# KiCad board sample013-sdi-mipi-video-converter.kicad_pcb (continued)
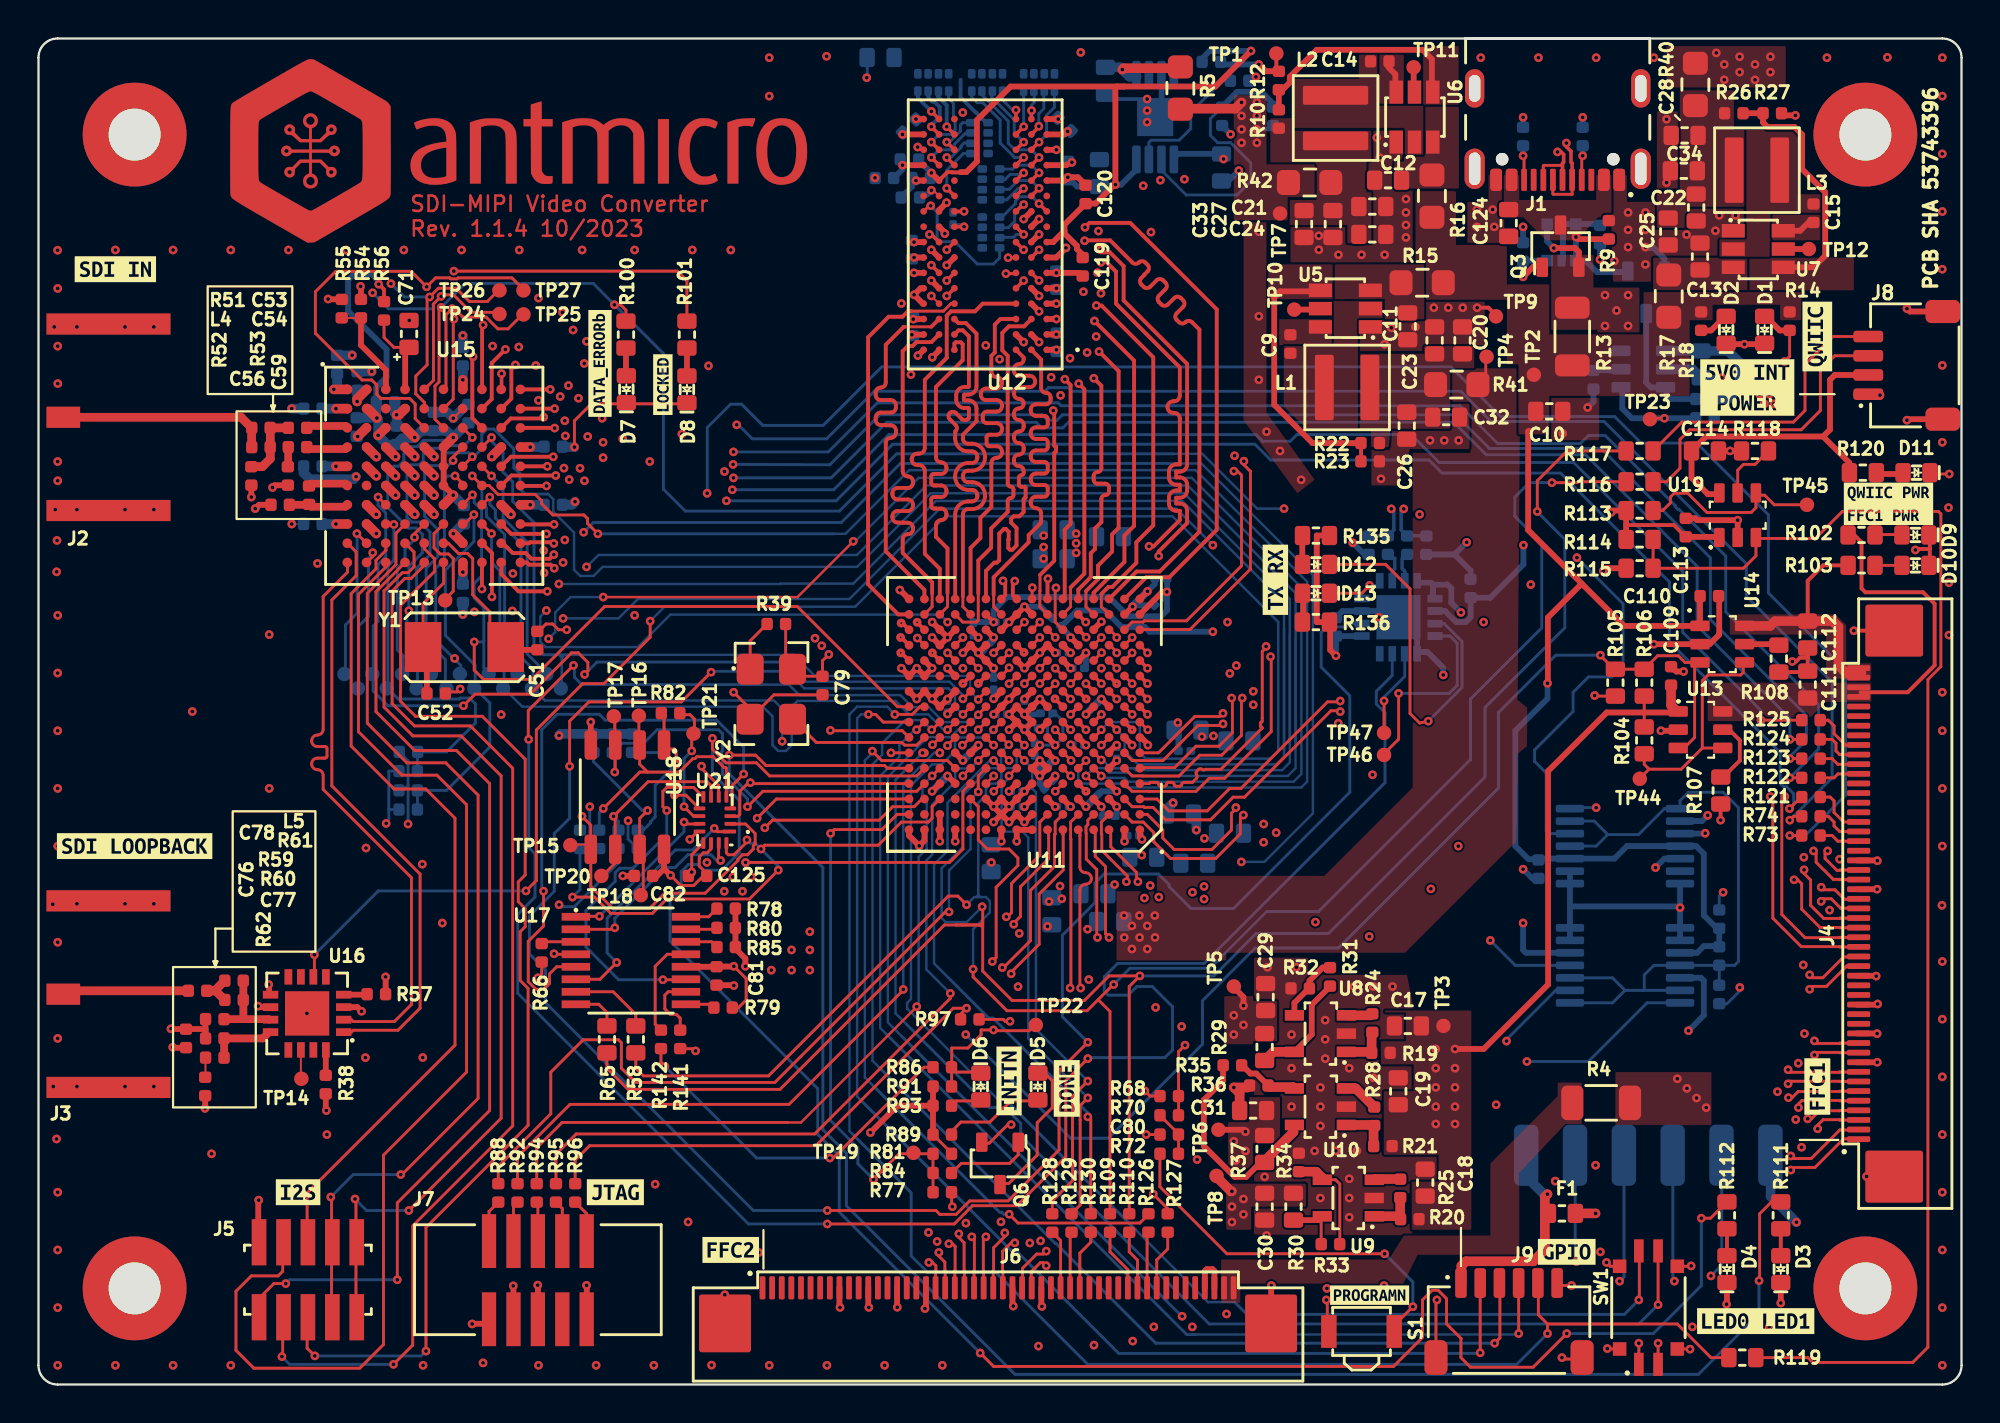
[diagram p0: board, top side]
## Routing (per net, layer and track width the routed paths; a pad name or vN(x,y) marks a point on that pad's centre or on a via; arc(x,y) is an arc through that point) (continued)
/DDR3/DDR3_A4: length 52.1
  Top w0.182: v1(46.43,64.61) U12.P8
  Top w0.2: U11.M16 44.87,38.05 v2(44.84,38.05)
  In2.Cu w0.15: 45.27,64.65 45.47,64.85 45.87,64.85 46.11,64.61 v1(46.43,64.61)
  In2.Cu w0.162: v2(44.84,38.05) 43.64,38.05 43.16,38.53 arc(43.02,38.58) 42.88,38.53 42.47,38.12 arc(42.33,38.06) 42.19,38.12 arc(42.13,38.26) 42.19,38.4 43.08,39.29 arc(43.14,39.43) 43.08,39.57 arc(42.94,39.63) 42.79,39.57 41.91,38.68 arc(41.77,38.62) 41.63,38.68 arc(41.57,38.82) 41.63,38.97 42.51,39.85 arc(42.57,39.99) 42.51,40.13 arc(42.37,40.19) 42.23,40.13 41.34,39.25 arc(41.2,39.19) 41.06,39.25 arc(41,39.39) 41.06,39.53 41.95,40.42 arc(42,40.56) 41.95,40.7 arc(41.8,40.76) 41.66,40.7 40.78,39.81 arc(40.64,39.76) 40.5,39.81 arc(40.44,39.96) 40.5,40.1 41.38,40.98 arc(41.44,41.12) 41.38,41.27 arc(41.24,41.32) 41.1,41.27 40.9,41.07 arc(40.76,41.01) 40.62,41.07 39,42.69 39,61.64 41.86,64.5 45.12,64.5 45.27,64.65
  Bottom w0.15: v1(46.43,64.61) 46.83,65.01 47.42,65.01 47.67,65.26 47.67,65.82 47.58,65.91 47.58,66.62 47.33,66.87 47.33,67.26
/DDR3/DDR3_A5: length 52.7
  Top w0.15: v1(50.47,36.44) 50.47,36.45 U11.L9
  Top w0.182: U12.P2 v1(52.03,64.61)
  In4.Cu w0.15: v1(50.47,36.44) 49.92,36.44 49.27,37.1 49.27,37.51 49.11,37.66 48.66,37.66 48.47,37.85 48.47,38.9 48.47,38.9
  In4.Cu w0.162: v1(52.03,64.61) 52.07,64.65 54.25,64.65 54.67,64.23 56.17,64.23 57.9,62.5 arc(57.96,62.36) 57.9,62.22 57.52,61.84 arc(57.47,61.7) 57.52,61.56 arc(57.67,61.5) 57.81,61.56 58.46,62.21 arc(58.6,62.27) 58.73,62.21 58.75,62.2 arc(58.8,62.06) 58.75,61.93 57.56,60.74 arc(57.5,60.6) 57.56,60.46 arc(57.7,60.4) 57.84,60.46 58.89,61.51 58.9,61.5 59.03,61.64 arc(59.17,61.7) 59.31,61.64 59.32,61.63 arc(59.37,61.49) 59.32,61.36 arc(59.26,61.22) 59.32,61.09 59.49,60.91 59.49,51.82 56.94,49.27 51.51,49.27 48.47,46.23 48.47,38.9
  Bottom w0.15: 52.83,67.26 52.83,66.42 52.42,66.01 52.42,65 v1(52.03,64.61)
/DDR3/DDR3_A6: length 51
  Top w0.15: U11.M13 v1(47.27,38.05)
  Top w0.182: v1(46.43,65.41) U12.R8
  In2.Cu w0.15: v1(47.27,38.05) 46.87,37.65 46.87,37.08
  In2.Cu w0.162: v1(46.43,65.41) 46.43,65.59 45.77,66.25 40.53,66.25 37.48,63.2 37.48,41.03 38.28,40.23 arc(38.42,40.17) 38.56,40.23 38.69,40.36 arc(38.83,40.41) 38.97,40.36 arc(39.03,40.21) 38.97,40.07 38.58,39.69 arc(38.53,39.57) 38.58,39.45 38.63,39.4 arc(38.75,39.36) 38.87,39.4 39.25,39.79 arc(39.39,39.85) 39.53,39.79 arc(39.59,39.65) 39.53,39.51 39.41,39.38 arc(39.35,39.24) 39.41,39.1 41.65,36.85 46.64,36.85 46.87,37.08
  Bottom w0.2: v1(46.43,65.41) 46.43,65.48 46.87,65.92 46.87,66.43 46.59,66.71 46.49,66.71 46.28,66.92 46.28,67.26
/DDR3/DDR3_A7: length 51.7
  Top w0.15: U11.L10 50.47,37.25 v1(50.47,37.27)
  Top w0.182: U12.R2 52.02,65.4 52.04,65.4 52.04,65.41 v1(52.02,65.43)
  In4.Cu w0.15: 50.07,39.7 50.06,39.7 50.06,37.87 50.47,37.46 v1(50.47,37.27)
  In4.Cu w0.162: 50.07,39.7 50.07,39.85 49.75,40.17 49.75,45.01 52.39,47.65 57.39,47.65 60.99,51.25 60.99,56.1 arc(61.05,56.24) 61.19,56.3 61.24,56.3 arc(61.38,56.36) 61.44,56.5 arc(61.38,56.64) 61.24,56.7 60.74,56.7 arc(60.6,56.76) 60.54,56.9 arc(60.6,57.04) 60.74,57.1 61.24,57.1 arc(61.38,57.16) 61.44,57.3 arc(61.38,57.44) 61.24,57.5 60.74,57.5 arc(60.6,57.56) 60.54,57.7 arc(60.6,57.84) 60.74,57.9 61.24,57.9 arc(61.38,57.96) 61.44,58.1 arc(61.38,58.24) 61.24,58.3 60.74,58.3 arc(60.6,58.36) 60.54,58.5 arc(60.6,58.64) 60.74,58.7 61.24,58.7 arc(61.38,58.76) 61.44,58.9 arc(61.38,59.04) 61.24,59.1 61.19,59.1 arc(61.05,59.16) 60.99,59.3 60.99,61.87 58.91,63.95 57.65,63.95 55.31,66.29 52.91,66.29 52.03,65.41
  Bottom w0.15: v1(52.02,65.43) 52.02,66.09 52.28,66.35 52.28,67.26
/DDR3/DDR3_A8: length 49.6
  Top w0.182: v1(46.43,66.21) U12.T8
  Top w0.2: v2(48.07,36.46) 48.08,36.46 U11.L12
  In2.Cu w0.15: v1(46.43,66.21) 45.89,66.75 39.92,66.75 39.46,66.29
  In2.Cu w0.162: v2(48.07,36.46) 41.06,36.46 36.71,40.81 36.71,63.54 39.46,66.29
  Bottom w0.2: v1(46.43,66.21) 45.73,66.91 R48.4
/DDR3/DDR3_A9: length 51.9
  Top w0.15: U11.L8 v1(51.27,36.45)
  Top w0.182: U12.R3 v1(51.23,65.41)
  In4.Cu w0.15: 51.63,65.01 52.63,65.01 ; 49.27,38.9 49.27,38.9 49.27,37.89 49.51,37.65 49.83,37.65 50.06,37.41 50.06,37.11 50.32,36.85 50.87,36.85 v1(51.27,36.45)
  In4.Cu w0.162: 51.63,65.01 v1(51.23,65.41) ; 52.63,65.01 52.77,65.01 53.41,65.65 53.97,65.65 54.8,64.82 56.16,64.82 57.51,63.47 58.07,63.47 60.23,61.31 60.24,61.31 60.24,55.37 arc(60.3,55.23) 60.44,55.17 60.47,55.17 arc(60.61,55.11) 60.67,54.97 arc(60.61,54.83) 60.47,54.77 60.01,54.77 arc(59.87,54.71) 59.81,54.57 arc(59.87,54.43) 60.01,54.37 60.47,54.37 arc(60.61,54.31) 60.67,54.17 arc(60.61,54.03) 60.47,53.97 60.01,53.97 arc(59.87,53.91) 59.81,53.77 arc(59.87,53.63) 60.01,53.57 60.47,53.57 arc(60.61,53.51) 60.67,53.37 arc(60.61,53.23) 60.47,53.17 60.01,53.17 arc(59.87,53.11) 59.81,52.97 arc(59.87,52.83) 60.01,52.77 60.04,52.77 arc(60.18,52.71) 60.24,52.57 60.24,51.56 57.1,48.42 51.89,48.42 49.27,45.8 49.27,38.9
  Bottom w0.15: v1(51.23,65.41) R45.4
/DDR3/DDR3_A10: length 49.4
  Top w0.182: v1(47.23,62.21) U12.L7
  Top w0.2: U11.P15 45.69,39.63 v2(45.69,39.64)
  In2.Cu w0.162: v2(45.69,39.64) 45.69,41.65 42.25,45.09 42.25,52.22 arc(42.19,52.36) 42.05,52.42 41.76,52.42 arc(41.62,52.48) 41.56,52.62 arc(41.62,52.76) 41.76,52.82 42.54,52.82 arc(42.68,52.88) 42.74,53.02 arc(42.68,53.16) 42.54,53.22 41.76,53.22 arc(41.62,53.28) 41.56,53.42 arc(41.62,53.56) 41.76,53.62 42.54,53.62 arc(42.68,53.68) 42.74,53.82 arc(42.68,53.96) 42.54,54.02 41.76,54.02 arc(41.62,54.08) 41.56,54.22 arc(41.62,54.36) 41.76,54.42 42.54,54.42 arc(42.68,54.48) 42.74,54.62 arc(42.68,54.76) 42.54,54.82 41.76,54.82 arc(41.62,54.88) 41.56,55.02 arc(41.62,55.16) 41.76,55.22 42.54,55.22 arc(42.68,55.28) 42.74,55.42 arc(42.68,55.56) 42.54,55.62 41.76,55.62 arc(41.62,55.68) 41.56,55.82 arc(41.62,55.96) 41.76,56.02 42.54,56.02 arc(42.68,56.08) 42.74,56.22 arc(42.68,56.36) 42.54,56.42 41.76,56.42 arc(41.62,56.48) 41.56,56.62 arc(41.62,56.76) 41.76,56.82 42.54,56.82 arc(42.68,56.88) 42.74,57.02 arc(42.68,57.16) 42.54,57.22 41.76,57.22 arc(41.62,57.28) 41.56,57.42 arc(41.62,57.56) 41.76,57.62 42.54,57.62 arc(42.68,57.68) 42.74,57.82 arc(42.68,57.96) 42.54,58.02 41.76,58.02 arc(41.62,58.08) 41.56,58.22 arc(41.62,58.36) 41.76,58.42 42.54,58.42 arc(42.68,58.48) 42.74,58.62 arc(42.68,58.76) 42.54,58.82 41.76,58.82 arc(41.62,58.88) 41.56,59.02 arc(41.62,59.16) 41.76,59.22 42.54,59.22 arc(42.68,59.28) 42.74,59.42 arc(42.68,59.56) 42.54,59.62 42.45,59.62 arc(42.31,59.68) 42.25,59.82 42.25,60.18 43.56,61.49 44.31,61.49 44.53,61.71 46.73,61.71 v1(47.23,62.21)
  Bottom w0.15: 48.48,64.02 48.1,64.02 47.23,63.15 v1(47.23,62.21)
/DDR3/DDR3_A11: length 48.8
  Top w0.182: v1(47.23,65.41) U12.R7
  Top w0.2: U11.M14 46.48,38.04 v2(46.48,38.05)
  In2.Cu w0.15: 46.21,65.01 46.83,65.01 46.84,65.02 ; 46.05,37.65 44.69,37.65
  In2.Cu w0.162: 46.21,65.01 45.87,65.35 45.37,65.35 45.17,65.55 40.91,65.55 40.65,65.29 arc(40.59,65.15) 40.65,65.01 41.02,64.64 arc(41.08,64.49) 41.02,64.35 arc(40.88,64.29) 40.74,64.35 40.07,65.02 arc(39.93,65.08) 39.78,65.02 arc(39.73,64.88) 39.78,64.74 40.46,64.07 arc(40.51,63.93) 40.46,63.79 arc(40.31,63.73) 40.17,63.79 39.8,64.16 arc(39.66,64.22) 39.52,64.16 38.24,62.88 38.24,41.58 42.17,37.65 44.69,37.65 ; v2(46.48,38.05) 46.45,38.05 46.05,37.65 ; 46.84,65.02 v1(47.23,65.41)
  Bottom w0.2: v1(47.23,65.41) 47.23,66.52 46.78,66.97 46.78,67.26
/DDR3/DDR3_A12: length 50.4
  Top w0.15: U11.N15 v1(45.7,38.82)
  Top w0.182: v1(47.23,63.81) U12.N7
  In2.Cu w0.162: v1(47.23,63.81) 47.23,63.08 46.74,62.59 46.24,62.59 45.82,62.17 44.28,62.17 44.04,61.93 42.52,61.93 41.29,60.7 41.29,52.02 arc(41.23,51.88) 41.09,51.82 41.01,51.82 arc(40.87,51.77) 40.81,51.62 arc(40.87,51.48) 41.01,51.42 41.76,51.42 arc(41.91,51.37) 41.96,51.22 arc(41.91,51.08) 41.76,51.02 41.01,51.02 arc(40.87,50.97) 40.81,50.82 arc(40.87,50.68) 41.01,50.62 41.76,50.62 arc(41.91,50.57) 41.96,50.42 arc(41.91,50.28) 41.76,50.22 41.01,50.22 arc(40.87,50.17) 40.81,50.02 arc(40.87,49.88) 41.01,49.82 41.76,49.82 arc(41.91,49.77) 41.96,49.62 arc(41.91,49.48) 41.76,49.42 41.01,49.42 arc(40.87,49.37) 40.81,49.22 arc(40.87,49.08) 41.01,49.02 41.76,49.02 arc(41.91,48.97) 41.96,48.82 arc(41.91,48.68) 41.76,48.62 41.01,48.62 arc(40.87,48.57) 40.81,48.42 arc(40.87,48.28) 41.01,48.22 41.76,48.22 arc(41.91,48.17) 41.96,48.02 arc(41.91,47.88) 41.76,47.82 41.01,47.82 arc(40.87,47.77) 40.81,47.62 arc(40.87,47.48) 41.01,47.42 41.76,47.42 arc(41.91,47.37) 41.96,47.22 arc(41.91,47.08) 41.76,47.02 41.01,47.02 arc(40.87,46.97) 40.81,46.82 arc(40.87,46.68) 41.01,46.62 41.76,46.62 arc(41.91,46.57) 41.96,46.42 arc(41.91,46.28) 41.76,46.22 41.01,46.22 arc(40.87,46.17) 40.81,46.02 arc(40.87,45.88) 41.01,45.82 41.76,45.82 arc(41.91,45.77) 41.96,45.62 arc(41.91,45.48) 41.76,45.42 41.01,45.42 arc(40.87,45.37) 40.81,45.22 arc(40.87,45.08) 41.01,45.02 41.09,45.02 arc(41.23,44.97) 41.29,44.82 41.29,43.93 45.27,39.95 45.27,39.25 v1(45.7,38.82)
  Bottom w0.15: v1(47.23,63.81) 47.45,63.81 47.97,64.33 47.97,64.4 48.14,64.57 48.48,64.57
/DDR3/DDR3_A13: length 49.4
  Top w0.15: U11.N8 v1(52.07,38.85)
  Top w0.182: U12.T3 v1(50.83,66.28)
  In4.Cu w0.15: 51.67,39.7 51.67,39.7 51.67,39.25 v1(52.07,38.85)
  In4.Cu w0.162: v1(50.83,66.28) 50.83,66.46 51.97,67.6 58.39,67.6 59.08,66.91 59.08,65.42 61.45,63.05 61.73,63.05 62.54,62.24 62.54,59.33 arc(62.5,59.23) 62.4,59.18 arc(62.3,59.14) 62.25,59.04 62.25,58.93 arc(62.3,58.83) 62.4,58.78 arc(62.5,58.74) 62.54,58.64 62.54,50.62 57.92,46 53.2,46 51.68,44.48 51.68,42.09 52.12,41.65 52.12,40.4 51.67,39.95 51.67,39.7
  Bottom w0.15: 50.13,67.26 50.13,66.8 50.65,66.28 v1(50.83,66.28)
/DDR3/DDR3_BA0: length 53.5
  Top w0.15: U11.P9 v1(51.27,39.65)
  Top w0.182: 51.63,62.61 v1(52.03,63.01)
  In2.Cu w0.162: v1(51.27,39.65) 51.47,39.65 52.07,40.25 53.48,40.25 54.97,41.74 54.97,43.65 55.15,43.83 arc(55.29,43.88) 55.43,43.83 55.5,43.75 arc(55.64,43.7) 55.78,43.75 arc(55.84,43.9) 55.78,44.04 55.29,44.53 arc(55.23,44.67) 55.29,44.81 arc(55.43,44.87) 55.57,44.81 56.06,44.32 arc(56.21,44.26) 56.35,44.32 arc(56.41,44.46) 56.35,44.6 55.85,45.1 arc(55.79,45.24) 55.85,45.38 arc(55.99,45.44) 56.13,45.38 56.63,44.89 arc(56.77,44.83) 56.91,44.89 arc(56.97,45.03) 56.91,45.17 56.42,45.66 arc(56.36,45.8) 56.42,45.95 arc(56.56,46) 56.7,45.95 57.2,45.45 arc(57.34,45.39) 57.48,45.45 arc(57.54,45.59) 57.48,45.73 56.98,46.23 arc(56.92,46.37) 56.98,46.51 arc(57.12,46.57) 57.27,46.51 57.76,46.02 arc(57.9,45.96) 58.04,46.02 arc(58.1,46.16) 58.04,46.3 57.97,46.37 arc(57.91,46.51) 57.97,46.65 60.94,49.62 arc(60.99,49.76) 60.94,49.9 60.79,50.04 arc(60.74,50.18) 60.79,50.32 arc(60.94,50.38) 61.08,50.32 61.57,49.83 arc(61.71,49.77) 61.85,49.83 arc(61.91,49.97) 61.85,50.11 61.36,50.6 arc(61.3,50.75) 61.36,50.89 arc(61.5,50.95) 61.64,50.89 61.78,50.75 arc(61.92,50.69) 62.07,50.75 62.97,51.65 62.97,60.17 59.09,64.05 53.47,64.05 53.07,63.65 52.65,63.65 52.03,63.03 v1(52.03,63.01)
  Bottom w0.15: 49.98,63.21 50.67,63.21 50.87,63.41 51.63,63.41 v1(52.03,63.01)
/DDR3/DDR3_BA1: length 49.6
  Top w0.182: v1(46.43,63.81) U12.N8
  Top w0.2: U11.P16 44.92,39.6 v2(44.86,39.6)
  In2.Cu w0.162: v1(46.43,63.81) 46.01,63.39 45.62,63.39 44.93,62.7 44.22,62.7 43.87,62.35 41.87,62.35 40.52,61 40.52,60.5 arc(40.47,60.35) 40.32,60.3 40.18,60.3 arc(40.04,60.24) 39.98,60.1 arc(40.04,59.95) 40.18,59.9 40.82,59.9 arc(40.96,59.84) 41.02,59.7 arc(40.96,59.55) 40.82,59.5 40.18,59.5 arc(40.04,59.44) 39.98,59.3 arc(40.04,59.15) 40.18,59.1 40.82,59.1 arc(40.96,59.04) 41.02,58.9 arc(40.96,58.75) 40.82,58.7 40.18,58.7 arc(40.04,58.64) 39.98,58.5 arc(40.04,58.35) 40.18,58.3 40.82,58.3 arc(40.96,58.24) 41.02,58.1 arc(40.96,57.95) 40.82,57.9 40.18,57.9 arc(40.04,57.84) 39.98,57.7 arc(40.04,57.55) 40.18,57.5 40.82,57.5 arc(40.96,57.44) 41.02,57.3 arc(40.96,57.15) 40.82,57.1 40.18,57.1 arc(40.04,57.04) 39.98,56.9 arc(40.04,56.75) 40.18,56.7 40.82,56.7 arc(40.96,56.64) 41.02,56.5 arc(40.96,56.35) 40.82,56.3 40.18,56.3 arc(40.04,56.24) 39.98,56.1 arc(40.04,55.95) 40.18,55.9 40.82,55.9 arc(40.96,55.84) 41.02,55.7 arc(40.96,55.55) 40.82,55.5 40.18,55.5 arc(40.04,55.44) 39.98,55.3 arc(40.04,55.15) 40.18,55.1 40.82,55.1 arc(40.96,55.04) 41.02,54.9 arc(40.96,54.75) 40.82,54.7 40.18,54.7 arc(40.04,54.64) 39.98,54.5 arc(40.04,54.35) 40.18,54.3 40.82,54.3 arc(40.96,54.24) 41.02,54.1 arc(40.96,53.95) 40.82,53.9 40.18,53.9 arc(40.04,53.84) 39.98,53.7 arc(40.04,53.55) 40.18,53.5 40.82,53.5 arc(40.96,53.44) 41.02,53.3 arc(40.96,53.15) 40.82,53.1 40.72,53.1 arc(40.58,53.04) 40.52,52.9 40.52,43.7 44.61,39.61 44.85,39.61 v2(44.86,39.6)
  Bottom w0.15: 48.48,65.07 48.2,65.07 47.62,64.49 47.62,64.34 47.49,64.21 46.83,64.21 v1(46.43,63.81)
/DDR3/DDR3_BA2: length 52.7
  Top w0.15: U11.M10 v1(50.47,38.05)
  Top w0.182: 50.83,62.61 v1(51.23,63.01)
  In2.Cu w0.15: v1(50.47,38.05) 50.87,38.45 50.87,39.82 51.1,40.05 51.44,40.05 ; v1(51.23,63.01) 51.63,62.61 52.26,62.61
  In2.Cu w0.162: 52.26,62.61 52.83,63.18 55.56,63.18 55.91,63.53 58.06,63.53 62.29,59.3 62.29,52.24 60.49,50.44 arc(60.35,50.38) 60.21,50.44 60.08,50.57 arc(59.94,50.63) 59.8,50.57 arc(59.74,50.43) 59.8,50.28 60.33,49.75 arc(60.39,49.61) 60.33,49.46 arc(60.19,49.41) 60.05,49.46 59.51,50 arc(59.37,50.06) 59.23,50 arc(59.17,49.86) 59.23,49.72 59.77,49.18 arc(59.83,49.04) 59.77,48.9 arc(59.63,48.84) 59.49,48.9 58.95,49.44 arc(58.81,49.5) 58.67,49.44 arc(58.61,49.3) 58.67,49.15 59.2,48.62 arc(59.26,48.47) 59.2,48.33 arc(59.06,48.27) 58.92,48.33 58.38,48.87 arc(58.24,48.93) 58.1,48.87 arc(58.04,48.73) 58.1,48.59 58.64,48.05 arc(58.7,47.91) 58.64,47.77 arc(58.5,47.71) 58.36,47.77 57.82,48.31 arc(57.68,48.36) 57.53,48.31 arc(57.48,48.16) 57.53,48.02 58.07,47.48 arc(58.13,47.34) 58.07,47.2 arc(57.93,47.14) 57.79,47.2 57.66,47.33 arc(57.52,47.39) 57.38,47.33 54.57,44.52 54.57,41.95 53.17,40.55 51.94,40.55 51.44,40.05
  Bottom w0.15: v1(51.23,63.01) 51.15,62.93 50.53,62.93 50.26,62.66 49.98,62.66
/DDR3/DDR3_CK_N: length 48
  Top w0.182: v1(48.13,61.01) 47.63,61.01
  Top w0.2: v1(50.15,41.8) 50.27,41.68 50.27,41.05 U11.T10
  In2.Cu w0.162: v1(50.15,41.8) 50.22,41.86 50.22,41.89 49.66,42.45 arc(49.46,42.94) 49.66,43.42 50.36,44.12 arc(50.42,44.27) 50.36,44.42 arc(50.21,44.48) 50.06,44.42 47.85,42.21 arc(47.36,42.01) 46.88,42.21 arc(46.68,42.7) 46.88,43.18 49.26,45.57 arc(49.33,45.72) 49.26,45.87 arc(49.11,45.93) 48.96,45.87 46.58,43.49 arc(46.09,43.28) 45.6,43.49 arc(45.4,43.97) 45.6,44.46 47.99,46.84 arc(48.05,46.99) 47.99,47.14 arc(47.84,47.21) 47.69,47.14 45.9,45.36 arc(45.42,45.16) 44.93,45.36 arc(44.73,45.84) 44.93,46.33 45.21,46.6 arc(45.27,46.75) 45.21,46.91 43.91,48.2 43.91,59.36 45.42,60.87 47.99,60.87 v1(48.13,61.01)
  Bottom w0.15: v1(48.13,61.01) 48.08,60.96 R43.1
/DDR3/DDR3_CK_P: length 47.9
  Top w0.182: v1(48.13,60.21) U12.J7
  Top w0.2: v1(50.77,41.79) 50.67,41.69 50.67,41.05 U11.T9
  In2.Cu w0.162: v1(48.13,60.21) 47.95,60.39 45.62,60.39 44.39,59.16 44.39,48.39 44.6,48.18 arc(44.78,48.11) 44.95,48.18 44.97,48.19 arc(45.14,48.27) 45.32,48.19 arc(45.39,48.02) 45.32,47.84 45.31,47.83 arc(45.23,47.65) 45.31,47.47 45.54,47.24 arc(45.74,46.75) 45.54,46.27 45.27,46 arc(45.2,45.84) 45.27,45.69 arc(45.42,45.63) 45.57,45.69 47.35,47.48 arc(47.84,47.68) 48.32,47.48 arc(48.53,46.99) 48.32,46.51 45.94,44.12 arc(45.88,43.97) 45.94,43.82 arc(46.09,43.76) 46.24,43.82 48.63,46.21 arc(49.11,46.41) 49.6,46.21 arc(49.8,45.72) 49.6,45.24 47.21,42.85 arc(47.15,42.7) 47.21,42.55 arc(47.36,42.48) 47.51,42.55 49.72,44.76 arc(50.21,44.96) 50.69,44.76 arc(50.89,44.27) 50.69,43.79 50,43.09 arc(49.93,42.94) 50,42.79 50.69,42.09 50.69,41.86 v1(50.77,41.79)
  Bottom w0.15: v1(48.13,60.21) 48.02,60.32 R43.2
/DDR3/DDR3_CKE: length 52.8
  Top w0.15: U11.N13 v1(48.07,38.85) ; 46.03,61.01 46.32,61.3 v1(46.39,61.3)
  In2.Cu w0.15: v1(46.39,61.3) 44.64,61.3 44.39,61.05
  In2.Cu w0.162: v1(48.07,38.85) 48.07,40.52 44.29,44.3 arc(44.15,44.36) 44.01,44.3 43.88,44.17 arc(43.74,44.11) 43.6,44.17 arc(43.54,44.31) 43.6,44.45 44.42,45.27 arc(44.48,45.41) 44.42,45.56 arc(44.28,45.61) 44.14,45.56 43.32,44.74 arc(43.18,44.68) 43.03,44.74 arc(42.98,44.88) 43.03,45.02 43.16,45.15 arc(43.22,45.29) 43.16,45.43 43.02,45.57 43.02,45.99 arc(43.08,46.13) 43.22,46.19 43.8,46.19 arc(43.94,46.25) 44,46.39 arc(43.94,46.53) 43.8,46.59 42.74,46.59 arc(42.6,46.65) 42.54,46.79 arc(42.6,46.93) 42.74,46.99 43.8,46.99 arc(43.94,47.05) 44,47.19 arc(43.94,47.33) 43.8,47.39 42.74,47.39 arc(42.6,47.45) 42.54,47.59 arc(42.6,47.73) 42.74,47.79 43.45,47.79 arc(43.59,47.85) 43.65,47.99 arc(43.59,48.13) 43.45,48.19 42.74,48.19 arc(42.6,48.25) 42.54,48.39 arc(42.6,48.53) 42.74,48.59 43.4,48.59 arc(43.54,48.65) 43.6,48.79 arc(43.54,48.93) 43.4,48.99 42.74,48.99 arc(42.6,49.05) 42.54,49.19 arc(42.6,49.33) 42.74,49.39 43.4,49.39 arc(43.54,49.45) 43.6,49.59 arc(43.54,49.73) 43.4,49.79 42.74,49.79 arc(42.6,49.85) 42.54,49.99 arc(42.6,50.13) 42.74,50.19 43.4,50.19 arc(43.54,50.25) 43.6,50.39 arc(43.54,50.53) 43.4,50.59 42.74,50.59 arc(42.6,50.65) 42.54,50.79 arc(42.6,50.93) 42.74,50.99 43.4,50.99 arc(43.54,51.05) 43.6,51.19 arc(43.54,51.33) 43.4,51.39 42.74,51.39 arc(42.6,51.45) 42.54,51.59 arc(42.6,51.73) 42.74,51.79 43.4,51.79 arc(43.54,51.85) 43.6,51.99 arc(43.54,52.13) 43.4,52.19 43.22,52.19 arc(43.08,52.25) 43.02,52.39 43.02,59.68 44.39,61.05
  Bottom w0.15: R50.4 49.98,58.59 49.66,58.27 48.82,58.27 47.66,59.43 46.92,59.43 46.73,59.62 46.73,60.97 v1(46.39,61.3)
/DDR3/DDR3_DQ0: length 29.8
  Top w0.182: v1(51.23,57.41) U12.E3
  Top w0.2: v1(54.91,55.31) 56.97,53.25 56.97,44.65 56.47,44.15 56.47,42.78 54.87,41.18 U11.T4
  In2.Cu w0.162: v1(51.23,57.41) 51.23,57.59 51.14,57.68 50.91,57.68 50.57,57.34 50.57,57.05 50.67,56.95 51.07,56.95 51.17,56.85 51.17,56.35 50.67,55.85 50.67,55.55 50.8,55.42 51.44,55.42 51.57,55.55 51.57,56.85 51.72,57 52.22,57 52.47,56.75 52.47,55.95 52.62,55.8 53.09,55.8 53.44,55.45 53.57,55.45 53.67,55.55 53.67,55.94 53.46,56.15 53.46,56.36 53.55,56.45 53.97,56.45 54.17,56.25 54.17,55.15 54.37,54.95 54.77,54.95 54.91,55.09 v1(54.91,55.31)
/DDR3/DDR3_DQ1: length 28.8
  Top w0.182: v1(47.23,57.41) U12.F7
  Top w0.2: v1(53.37,52.28) 53.67,51.98 53.67,44.75 53.37,44.45 53.37,40.95 U11.T6
  In2.Cu w0.162: v1(53.37,52.28) 53.14,52.28 50.32,49.46 46.88,49.46 46.55,49.79 46.55,51.76 47.62,52.83 47.62,56 47.77,56.15 47.77,56.87 v1(47.23,57.41)
/DDR3/DDR3_DQ2: length 30.9
  Top w0.15: U11.R3 55.27,40.45 55.27,41.11
  Top w0.182: U12.F2 v1(52.03,57.41)
  Top w0.2: 55.27,41.11 55.64,41.48 55.84,41.48 57.09,42.73 57.09,43.8 57.97,44.68 57.97,53.42 55.28,56.11 v1(55.01,56.11)
  In2.Cu w0.162: v1(52.03,57.41) 53.11,57.41 arc(53.25,57.47) 53.31,57.61 53.31,57.66 arc(53.37,57.81) 53.51,57.86 arc(53.65,57.81) 53.71,57.66 53.71,57.23 arc(53.76,57.11) 53.89,57.06 53.93,57.06 arc(54.06,57.11) 54.11,57.23 54.11,57.71 arc(54.17,57.86) 54.31,57.91 arc(54.45,57.86) 54.51,57.71 54.51,57.61 arc(54.57,57.47) 54.71,57.41 55.5,57.41 55.63,57.54 55.63,58.1 55.75,58.22 55.94,58.22 56.07,58.09 56.07,57.25 55.67,56.85 55.67,56.6 55.47,56.4 55.47,56.35 56.07,55.75 56.07,55.45 55.87,55.25 55.64,55.25 55.01,55.88 v1(55.01,56.11)
/DDR3/DDR3_DQ3: length 29.4
  Top w0.15: 53.67,41.45 53.67,40.45 U11.R6
  Top w0.182: v1(46.43,58.21) U12.F8
  Top w0.2: v1(54.09,52.05) 54.38,51.76 54.38,42.17 53.67,41.45
  In2.Cu w0.162: v1(54.09,52.05) 54.09,52.66 53.9,52.85 52.57,52.85 50.85,51.13 50.13,51.13 arc(49.92,51.04) 49.83,50.83 49.83,50.73 arc(49.74,50.52) 49.53,50.43 arc(49.32,50.52) 49.23,50.73 49.23,50.83 arc(49.14,51.04) 48.93,51.13 48.61,51.13 48.29,51.45 48.29,57.23 47.7,57.82 46.82,57.82 v1(46.43,58.21)
/DDR3/DDR3_DQ4: length 31.9
  Top w0.182: U12.H3 v1(51.23,59.01)
  Top w0.2: U11.T2 57.6,41.98 58.8,41.98 60.65,43.83 61.27,44.45 61.27,55.91 57.68,59.51 57.43,59.75 57.43,59.76 56.77,60.41 54.65,60.41 v1(54.42,60.18)
  In2.Cu w0.15: 50.84,59.34 50.91,59.41 52.33,59.41 52.35,59.43
  In2.Cu w0.162: v1(54.42,60.18) 52.8,60.18 52.54,59.92 52.54,59.62 52.35,59.43 ; v1(51.23,59.01) 51,59.01 50.84,59.17 50.84,59.34
/DDR3/DDR3_DQ5: length 29
  Top w0.15: 54.47,41.26 54.47,40.45 U11.R4
  Top w0.182: v1(46.33,59.81) 46.43,59.81 U12.H8
  Top w0.2: 54.47,41.26 55.09,41.88 55.09,42.58 55.83,43.32 55.83,44.21 56.17,44.55 56.17,52.7 v1(55.15,53.72)
  In2.Cu w0.162: v1(55.15,53.72) 55.1,53.72 53.79,55.03 49.96,55.03 49.75,55.24 49.75,55.52 50.26,56.03 50.26,57.02 49.68,57.6 49.68,58.11 48.32,59.47 46.67,59.47 v1(46.33,59.81)
/DDR3/DDR3_DQ6: length 32.1
  Top w0.182: U12.G2 v1(52.03,59.01)
  Top w0.2: U11.T3 57.1,42.28 58.3,42.28 60.37,44.35 60.37,54.86 59.98,55.25 arc(59.81,55.32) 59.65,55.25 arc(59.48,55.18) 59.31,55.25 59.19,55.37 arc(59.12,55.54) 59.19,55.71 59.52,56.04 arc(59.59,56.21) 59.52,56.38 59.4,56.5 arc(59.23,56.57) 59.06,56.5 58.73,56.17 arc(58.56,56.1) 58.39,56.17 58.27,56.29 arc(58.2,56.46) 58.27,56.63 58.6,56.96 arc(58.67,57.13) 58.6,57.3 58.48,57.42 arc(58.31,57.49) 58.14,57.42 57.81,57.09 arc(57.64,57.02) 57.47,57.09 57.35,57.21 arc(57.28,57.38) 57.35,57.55 57.52,57.71 57.51,57.72 57.68,57.89 arc(57.75,58.06) 57.68,58.23 57.55,58.35 arc(57.39,58.42) 57.22,58.35 arc(57.05,58.28) 56.88,58.35 55.73,59.5 54.42,59.5 v1(54.4,59.48)
  In2.Cu w0.162: v1(52.03,59.01) 52.53,59.01 53.17,59.65 53.83,59.65 54,59.48 v1(54.4,59.48)
/DDR3/DDR3_DQ7: length 29.3
  Top w0.182: v1(47.23,59.01) U12.H7
  Top w0.2: v1(54.88,52.33) 55.27,51.94 55.27,47.65 arc(55.21,47.51) 55.07,47.45 arc(54.93,47.39) 54.87,47.25 54.87,47.05 arc(54.93,46.91) 55.07,46.85 55.47,46.85 arc(55.61,46.79) 55.67,46.65 55.67,46.45 arc(55.61,46.31) 55.47,46.25 arc(55.33,46.19) 55.27,46.05 55.27,44.85 54.94,44.52 54.94,43.45 54.72,43.23 54.72,41.99 54.07,41.34 U11.T5
  In2.Cu w0.162: v1(47.23,59.01) 47.41,59.01 48.92,57.5 48.92,54.23 48.77,54.08 48.77,52.88 49.84,51.81 50.35,51.81 52.73,54.19 53.43,54.19 54.88,52.74 v1(54.88,52.33)
/DDR3/DDR3_DQ8: length 20.8
  Top w0.15: 45.38,55.82 47.06,55.82 47.45,56.21 U12.D7
  Top w0.2: U11.R16 44.71,40.05 43.14,41.62 43.14,54.46 44.21,55.53 44.93,55.53 45.22,55.82 45.38,55.82
/DDR3/DDR3_DQ9: length 21.2
  Top w0.2: U11.T12 48.47,43.51 48.98,44.02 48.98,45.07 49.55,45.64 49.55,46.22 49.55,47.92 arc(49.63,48.11) 49.82,48.19 arc(50.02,48.27) 50.1,48.47 50.1,48.52 arc(50.02,48.71) 49.82,48.79 49.43,48.79 arc(49.34,48.83) 49.3,48.92 49.3,49.27 arc(49.34,49.36) 49.43,49.39 49.82,49.39 arc(50.02,49.47) 50.1,49.67 50.1,49.72 arc(50.02,49.91) 49.82,49.99 49.33,49.99 arc(49.17,50.06) 49.1,50.22 49.1,50.37 arc(49.17,50.53) 49.33,50.59 49.82,50.59 arc(50.02,50.67) 50.1,50.87 50.1,50.92 arc(50.02,51.11) 49.82,51.19 49.28,51.19 arc(49.08,51.27) 49,51.47 49,51.52 arc(49.08,51.71) 49.28,51.79 49.55,51.79 49.55,51.8 49.82,51.8 arc(50.02,51.88) 50.1,52.07 50.1,52.12 arc(50.02,52.31) 49.82,52.4 arc(49.63,52.48) 49.55,52.67 49.55,53.5 49.73,53.68 49.73,55.12 50.02,55.41 U12.C3
/DDR3/DDR3_DQ10: length 20.4
  Top w0.15: 46.42,55 45.01,55
  Top w0.2: U11.T15 46.07,41.32 44.06,43.33 44.06,48.97 arc(44.14,49.16) 44.32,49.23 arc(44.51,49.31) 44.58,49.49 44.58,49.62 arc(44.51,49.81) 44.32,49.88 44.06,49.88 44.06,49.9 43.8,49.9 arc(43.61,49.97) 43.54,50.16 43.54,50.28 arc(43.61,50.47) 43.8,50.55 44.32,50.55 arc(44.51,50.62) 44.58,50.81 44.58,50.93 arc(44.51,51.12) 44.32,51.2 43.8,51.2 arc(43.61,51.27) 43.54,51.46 43.54,51.58 arc(43.61,51.77) 43.8,51.84 arc(43.98,51.92) 44.06,52.11 44.06,54.07 44.99,55 45.01,55 ; 46.42,55 U12.C8
/DDR3/DDR3_DQ11: length 19.3
  Top w0.15: 48.87,41.15 48.87,39.74 48.78,39.65 48.07,39.65 U11.R13
  Top w0.2: 48.87,41.15 48.87,42.85 49.54,43.52 49.54,44.52 50.4,45.38 50.4,45.95 arc(50.44,46.06) 50.55,46.1 arc(50.66,46.14) 50.7,46.25 50.7,46.55 arc(50.66,46.66) 50.55,46.7 arc(50.44,46.74) 50.4,46.85 50.4,53.5 50.12,53.78 50.12,54.69 50.46,55.03 51.25,55.03 U12.C2
/DDR3/DDR3_DQ12: length 19
  Top w0.15: 47.27,41.14 47.27,40.45 U11.R14
  Top w0.2: U12.A7 47.63,54.14 47.69,54.2 47.96,54.2 48.06,54.1 48.06,53.27 46.67,51.88 46.67,48.23 arc(46.75,48.03) 46.94,47.96 arc(47.13,47.88) 47.21,47.68 47.21,47.63 arc(47.13,47.43) 46.94,47.36 46.55,47.36 arc(46.46,47.32) 46.43,47.23 46.43,46.88 arc(46.46,46.79) 46.55,46.76 46.94,46.76 arc(47.13,46.68) 47.21,46.48 47.21,46.43 arc(47.13,46.23) 46.94,46.16 46.55,46.16 arc(46.46,46.12) 46.43,46.03 46.43,45.68 arc(46.46,45.59) 46.55,45.56 46.67,45.56 46.67,45.55 46.94,45.55 arc(47.13,45.47) 47.21,45.28 47.21,45.22 arc(47.13,45.03) 46.94,44.95 arc(46.75,44.87) 46.67,44.68 46.67,44.08 47.27,43.48 47.27,41.14
/DDR3/DDR3_DQ13: length 22.1
  Top w0.15: U11.R10 49.67,40.45 49.67,41.06
  Top w0.2: 49.67,41.06 49.67,41.98 51.49,43.8 51.49,44.17 52.07,44.75 arc(52.12,44.83) 52.14,44.92 52.14,45.3 arc(52.06,45.49) 51.87,45.57 arc(51.68,45.65) 51.6,45.84 51.6,45.9 arc(51.68,46.09) 51.87,46.17 52.14,46.17 52.14,46.18 52.31,46.18 arc(52.43,46.23) 52.48,46.35 52.48,46.6 arc(52.43,46.72) 52.31,46.78 51.87,46.78 arc(51.68,46.85) 51.6,47.05 51.6,47.1 arc(51.68,47.3) 51.87,47.38 52.31,47.38 arc(52.43,47.43) 52.48,47.55 52.48,47.8 arc(52.43,47.92) 52.31,47.98 51.87,47.98 arc(51.68,48.05) 51.6,48.25 51.6,48.3 arc(51.68,48.5) 51.87,48.58 52.31,48.58 arc(52.43,48.63) 52.48,48.75 52.48,49 arc(52.43,49.12) 52.31,49.18 51.87,49.18 arc(51.68,49.25) 51.6,49.45 51.6,49.5 arc(51.68,49.7) 51.87,49.78 52.31,49.78 arc(52.43,49.83) 52.48,49.95 52.48,50.2 arc(52.43,50.32) 52.31,50.38 51.87,50.38 arc(51.68,50.45) 51.6,50.65 51.6,50.7 arc(51.68,50.9) 51.87,50.98 52.39,50.98 arc(52.56,51.05) 52.63,51.22 52.63,51.33 arc(52.56,51.5) 52.39,51.58 arc(52.21,51.65) 52.14,51.82 52.14,53.3 U12.A2